# Allegro board RK_EVB1_RK3576_LP4XD200P132SD6_V12_20240530YWQ.brd (continued)
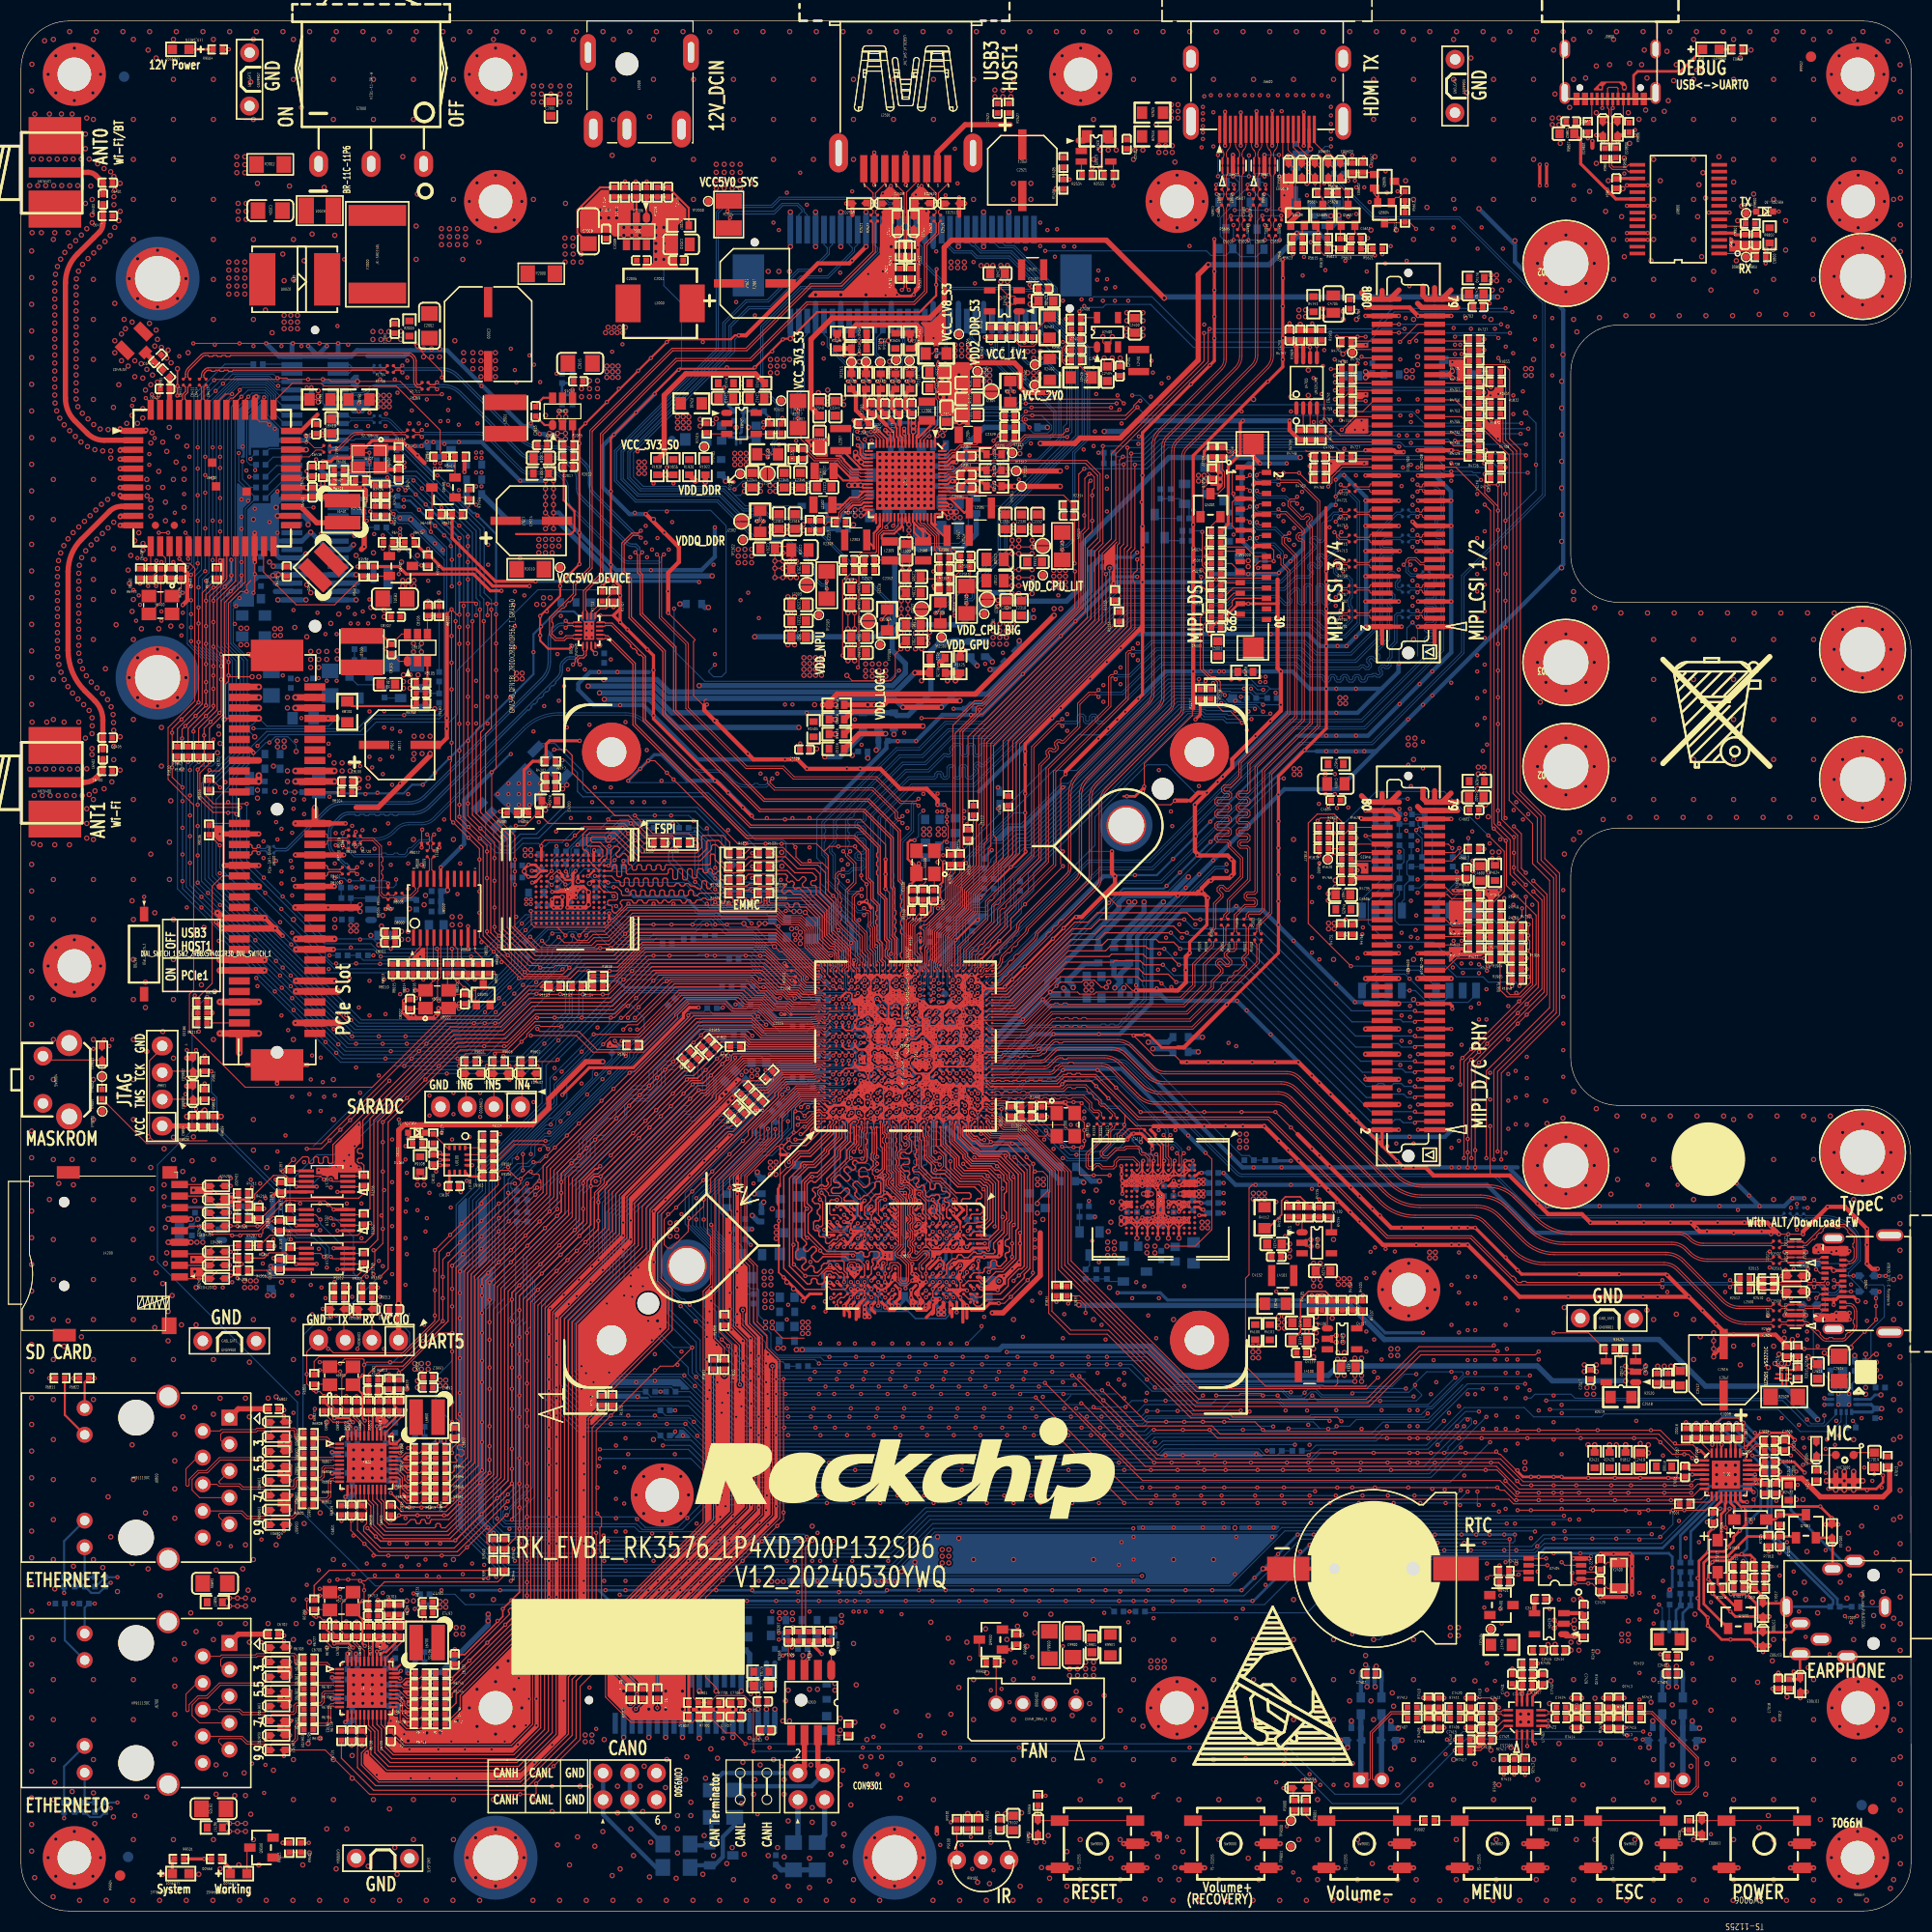
[diagram p0: board, top side]
## Routing (per net, layer and track width the routed paths; a pad name or vN(x,y) marks a point on that pad's centre or on a via; arc(x,y) is an arc through that point) (continued)
  BOTTOM w0.305: R4006.1 57.77,100.02 v1(57.37,100.02) R4001.1 ; v1(81.54,86.87) 81.52,86.85 C1308.1 ; R4000.1 v1(50.99,101.41)
  BOTTOM w0.508: v2(74.08,112.72) 62.52,112.72 59.84,115.4 v2(55.55,115.4) ; R1346.1 67.1,136.37 v2(67.1,136.17)
VCCIO1: length 52.2
  TOP w0.203: U1000.2A8 80.25,83.25 v1(79.93,83.25)
  L4-SIG w0.178: 75.9,83.64 79.46,83.64 79.84,83.25 v1(79.93,83.25)
  L4-SIG w0.508: v2(65.47,124.15) 65.47,117.65 66.67,116.45 66.67,92.67 67.5,91.84 67.5,89.52 73.39,83.64 75.9,83.64
  BOTTOM w0.305: v1(79.93,83.25) 79.76,83.25 C1309.1
  BOTTOM w0.508: v2(65.47,124.15) 65.15,124.15 R1354.1
VCCIO2: length 136.1
  TOP w0.203: U1000.2A2 80.17,79.61 79.89,79.61 v1(79.86,79.64)
  TOP w0.305: v1(63.6,27.25) R1801.1 R1800.1
  TOP w0.508: R1812.1 v2(152.82,44.39)
  L4-SIG w0.178: v1(79.86,79.64) 79.83,79.64 79.4,80.07 76.86,80.07 76.62,79.83
  L4-SIG w0.508: v2(152.82,50.49) v2(152.82,44.39) ; 73.76,54.09 73.76,58.05 72.05,59.76 72.05,61.67 71.16,62.56 71.16,65.98 69.13,68.02 69.13,69.44 69.51,69.82 69.51,74.7 71.94,77.12 71.94,78.19 73.57,79.83 76.62,79.83 ; 73.76,54.09 v2(74.4,53.45) v2(73.84,53.45) 73.76,53.53 73.76,54.09
  BOTTOM w0.305: C1800.1 80.18,79.61 79.89,79.61 v1(79.86,79.64)
  BOTTOM w0.508: v2(152.82,50.49) 145.84,50.49 144.42,51.91 125.41,51.91 124.5,51 110.39,51 107.59,53.79 93.51,53.79 93.17,53.45 v2(74.4,53.45) v2(73.84,53.45)
  vias: v2(67.22,28.01) v2(67.22,27.44)
VCCIO3: length 82
  TOP w0.229: U1000.2B10 80.95,84.64 80.67,84.93 v1(80.67,84.97)
  L4-SIG w0.089: 80.01,83.94 80.74,83.94 80.99,84.18 U1000.2B10 v1(80.67,84.97) 80.34,84.64 80.34,84.27 80.3,84.23
  L4-SIG w0.178: 80.3,84.23 79.99,83.92 76.47,83.92 76.05,84.34
  L4-SIG w0.508: v2(65.83,127.15) 65.83,125.42 68.11,123.13 68.11,89.79 71.7,86.2 72.41,86.2 74.27,84.34 76.05,84.34
  BOTTOM w0.305: C1801.1 80.67,85.05 v1(80.67,84.97)
  BOTTOM w0.508: R1826.1 46.53,132.28 51.22,132.28 56.35,127.15 v2(65.83,127.15)
VCCIO4: length 189.7
  TOP w0.203: v1(79.98,82.69) U1000.2A7
  TOP w0.305: v1(112.69,138.43) 112.69,139.01 113.06,139.38 R5022.1 R5021.1 ; v1(49.01,126.64) 45.18,126.64 41.06,130.76 R6411.1 R6408.1
  TOP w0.406: R4767.1 R1909.1 R1910.1
  TOP w0.508: R4767.1 v2(121.83,151.1) ; R1922.1 v2(65.18,136.09)
  L4-SIG w0.102: v1(79.98,82.69) 79.69,82.4 77.1,82.4 77.07,82.43
  L4-SIG w0.508: v1(68.05,86.34) 68.59,85.8 70.37,85.8 73.73,82.43 77.07,82.43 ; v1(68.05,86.34) 67.76,86.05 v1(66.84,86.05) ; v1(68.05,86.34) 66.89,87.49 66.89,91.59 64.76,93.72 64.76,104.89 64.58,105.07 v2(64.58,116.7) v1(64.58,126.56) 64.58,135.49 v2(65.18,136.09) ; v2(121.83,151.1) v2(121.83,138.43)
  BOTTOM w0.305: v1(68.05,86.34) 68.06,86.33 R1917.1 ; v1(64.58,126.56) 64.51,126.64 v1(49.01,126.64) ; v1(66.84,86.05) 66.77,85.98 R1916.1 ; C1901.1 79.99,82.68 v1(79.98,82.69) 79.98,82.67 C1900.1
  BOTTOM w0.508: R1922.1 v2(65.18,136.09) ; v2(121.83,138.43) v1(112.69,138.43) 109.34,138.43 101.01,130.1 101.01,126.18 99.57,124.75 94.25,124.75 93.45,125.55 92.63,125.55 89.58,122.5 83.7,122.5 82.97,121.77 82.97,120.05 84.22,118.8 84.22,117.91 83.02,116.7 v2(64.58,116.7)
VCCIO5: length 129.7
  TOP w0.229: v1(79.98,80.89) 79.98,81.03 U1000.2A5 ; v1(79.98,80.89) 80.13,80.74 U1000.2A4 80.32,80.77 80.32,81.23 80.34,81.25 U1000.2A5 ; v1(79.98,80.89) 79.89,80.99 v1(79.89,81.41) 80.32,81.41 U1000.2A5
  TOP w0.305: v1(51.56,77.72) 51.56,77.76 54.12,80.31 58.31,80.31 63.09,85.09 63.09,85.48 63.66,86.05 v1(64.53,86.05)
  TOP w0.508: v2(64.25,136.22) 64.22,136.22 R1936.1
  L4-SIG w0.305: v1(79.89,81.41) 79.37,81.92 71.87,81.92 ; v1(62.3,45.66) v1(62.3,47.68) 62.3,48.07 v1(60.91,49.46) 60.91,54.26 56.69,58.47 56.69,72.2 51.56,77.33 v1(51.56,77.72)
  L4-SIG w0.508: v2(64.25,136.22) 63.97,135.94 63.97,105.15 63.31,104.49 63.31,87.27 v1(64.53,86.05) 66.05,84.53 69.26,84.53 71.87,81.92
  BOTTOM w0.305: C1902.1 80.09,81.61 v1(79.89,81.41) 79.89,80.99 v1(79.98,80.89) 79.98,80.84 C1903.1 ; R1926.1 62,45.28 62.3,45.59 v1(62.3,45.66) ; R1927.1 v1(60.91,49.46) R1935.1 ; R1934.1 v1(62.3,47.68)
  BOTTOM w0.508: R1936.1 64.22,136.22 v2(64.25,136.22)
VCCIO6: length 244.4
  TOP w0.229: U1000.2N3 v1(88.47,79.77)
  TOP w0.254: R5613.1 v1(123.53,159.83) 123.53,160.34 Q5605.1
  TOP w0.305: R5611.1 v1(131.81,162.32) R5612.1
  TOP w0.406: v1(121.52,159.81) 121.12,159.42 R5622.1 ; v2(125.08,158.36) R5618.1 126.66,158.36 R5619.1
  TOP w0.508: R1838.1 v2(61.43,136.78) R1836.1 ; v2(113.07,156.79) 112.12,155.83 112.12,147.71 104.69,140.28 100.88,140.28 100.37,139.77 v2(97.08,139.77)
  L4-SIG w0.203: 95.04,79.95 91.73,79.95 91.46,80.23 90.93,80.23 90.86,80.15 88.85,80.15 v1(88.47,79.77)
  L4-SIG w0.305: v1(131.81,162.32) 129.04,162.32 v2(125.08,158.36) 125.08,157.1 129.33,152.85 129.33,106.92 v1(131.27,104.97)
  L4-SIG w0.508: v2(61.43,136.78) 61.88,136.78 68.05,142.95 68.87,142.95 70.39,144.47 72.59,144.47 75.12,147 75.12,149.7 77.02,151.6 91.99,151.6 94.39,149.2 94.39,147.02 97.08,144.33 v2(97.08,139.77) 97.08,118.66 100.8,114.94 100.8,96.6 105.64,91.76 105.64,87.66 97.93,79.95 95.04,79.95
  BOTTOM w0.229: C1802.1 88.72,80.02 v1(88.47,79.77)
  BOTTOM w0.305: v1(131.27,104.97) R1845.1 R1846.1
  BOTTOM w0.406: v1(121.52,159.81) 123.52,159.81 v1(123.53,159.83) 123.61,159.83 v2(125.08,158.36)
  BOTTOM w0.508: v2(61.43,136.78) R1836.1 ; v1(121.52,159.81) 121.52,159.43 118.87,156.79 v2(113.07,156.79)
VCCIO7_VCC: length 34.3
  TOP w0.229: U1000.2M3 v1(87.82,79.77)
  L4-SIG w0.089: 90.08,79.31 90.08,79.26 ; 90.08,79.31 90.08,79.44 ; 90.08,79.31 90.21,79.44 ; 90.08,79.26 89.9,79.44 ; 90.08,79.26 90.09,79.25 90.09,78.98 90.08,78.98 ; 89.45,79.44 89.32,79.44 ; 89.45,79.44 89.45,79.26 89.44,79.25 ; 89.45,79.44 89.57,79.44 ; 89.32,79.44 89.44,79.32 89.44,79.31 ; 89.32,79.44 88.79,79.44 ; 91.73,79.32 91.53,79.52 90.96,79.52 90.89,79.45 90.74,79.45 ; 89.63,78.79 89.9,78.79 ; 89.63,78.79 89.45,78.79 ; 89.63,78.79 89.44,78.98 ; 89.9,78.79 90.08,78.98 ; 89.9,78.79 90.08,78.79 ; 90.08,79.44 89.9,79.44 ; 90.08,79.44 90.21,79.44 ; 90.74,79.25 90.74,79.45 ; 90.74,79.25 90.74,78.98 ; 90.74,79.25 90.55,79.44 ; 90.74,79.45 90.74,79.44 90.55,79.44 ; 89.44,78.98 89.26,78.79 ; 89.44,78.98 89.44,78.98 ; 89.26,78.79 88.98,78.79 88.95,78.82 ; 89.26,78.79 89.45,78.79 ; 88.95,78.82 88.79,78.98 88.79,79.44 ; 88.95,78.82 88.92,78.79 88.2,78.79 88.14,78.85 88.14,79.44 88.14,79.44 88.79,79.44 ; 90.08,78.98 90.08,78.92 ; 90.55,78.79 90.21,78.79 ; 90.55,78.79 90.74,78.98 ; 90.55,78.79 90.85,78.79 ; 90.21,78.79 90.08,78.79 ; 90.21,78.79 90.08,78.92 ; 89.44,79.31 89.44,79.25 ; 89.44,79.31 89.57,79.44 ; 89.45,78.79 89.45,78.98 89.44,78.98 ; 90.08,78.79 90.08,78.92 ; 89.44,78.98 89.44,79.25 ; 89.9,79.44 89.57,79.44 ; 90.74,78.98 90.74,78.9 90.85,78.79 ; 90.55,79.44 90.21,79.44 ; 91.61,79.19 91.21,78.79 90.85,78.79
  L4-SIG w0.102: 91.61,79.19 91.73,79.32 92.95,79.32
  L4-SIG w0.33: v1(87.82,79.77) 88.14,79.44
  L4-SIG w0.508: v2(107.36,82.75) 102.78,82.75 99.35,79.32 92.95,79.32
  BOTTOM w0.305: v1(87.82,79.77) 87.82,79.88 C1300.1
  BOTTOM w0.508: v2(107.36,82.75) 109.24,82.75 R1308.1
VCCIO_ACODEC: length 12.6
  TOP w0.229: v1(142.95,20.65) U7402.11
  TOP w0.406: R7405.2 C7417.1 C7414.1 142.95,21.44 v1(142.95,20.65) ; v1(141.23,13.01) R7409.1
  L3-POWER w0.508: v1(142.95,20.65) 141.23,18.92 v1(141.23,13.01)
VCCIO_AUDIO: length 20.2
  TOP w0.406: R7405.1 v1(144.44,23.57)
  L4-SIG w0.508: v2(143.23,42.74) v2(143.23,42.11) 143.23,24.78 v1(144.44,23.57)
VCCIO_CODEC: length 3.9
  TOP w0.254: U7000.3 158.99,42.01 158.54,42.46 ; 158.54,42.46 U7000.2 ; 158.54,42.46 158.47,42.53
VCCIO_FT232: length 3.6
  TOP w0.305: U9800.4 163.14,159.8 163.3,159.64 C9801.1 C9800.1
VCCIO_PHY0: length 1.2
  TOP w0.203: R6738.2 v1(32.48,15.74)
  TOP w0.229: v1(36.11,22.15) 36.11,22.15 36.03,22.23 U6700.28
VCCIO_PHY1: length 1.2
  TOP w0.203: R6838.2 v1(32.48,37.2)
  TOP w0.229: U6800.28 36.03,43.69 36.11,43.61 v1(36.11,43.61)
VCCIO_SD_S0: length 231.1
  TOP w0.102: R2327.2 92.87,138.73 92.77,138.83 92.77,139.11 93.15,139.49 94.27,139.49 94.55,139.77 95.07,139.77 95.68,140.38 v1(99.63,140.38) ; R1361.1 23.67,63.33
  TOP w0.305: v1(24.14,63.32) 24.14,63.33 23.67,63.33 ; v1(76.26,24.47) R9305.1 ; R9312.1 v1(31.28,59.38) ; R9810.1 v1(17.49,78.81) ; v1(33.99,59.38) R9311.1 ; R1360.1 v1(23.15,66.89)
  TOP w0.508: CON9304.1 C9309.1 v2(35.96,57.86) 35.98,57.89 35.98,74.37 36.49,74.87 48.68,74.87 50.27,76.46 50.27,77.35 53.8,80.88 v2(55.4,80.88) ; v2(17.49,76.27) 17.33,76.12 R9808.1
  L4-SIG w0.508: v2(35.96,57.86) 34.44,59.38 v1(33.99,59.38) 33.94,59.34 31.33,59.34 v1(31.28,59.38) 31.24,59.34 29.62,59.34 25.63,63.32 v1(24.14,63.32) 23.84,63.32 23.33,63.83 23.33,66.72 v1(23.15,66.89) 22.12,66.89 21.12,67.89 21.12,70.05 17.49,73.68 v2(17.49,76.27) v1(17.49,78.81) ; v2(55.4,80.88) 57.99,80.88 60.87,83.76 60.87,104.08 62.75,105.96 v2(62.75,124.48) 62.75,136.79 67.92,141.96 68.93,141.96 70.83,143.86 72.85,143.86 75.73,146.74 75.73,149.45 77.28,150.99 91.74,150.99 93.78,148.94 93.78,146.77 95.14,145.41 v2(95.14,139.36) v2(95.14,138.8)
  BOTTOM w0.102: CON9700.34 86.02,160.07 86.02,157.04 88.43,154.63 95.32,154.63 95.5,154.45 96.52,154.45 97.27,153.7 97.27,150.43 99.37,148.33 99.74,148.33 100.09,147.99 100.09,140.84 v1(99.63,140.38)
  BOTTOM w0.508: R1354.2 v2(62.75,124.48)
  vias: v2(77.51,21.66) v2(77.51,21.03)
VCCIO_SD_S0_P: length 43.8
  TOP w0.102: v1(99.63,141.04) 99.17,140.58 95.6,140.58 94.99,139.97 94.46,139.97 94.18,139.7 93.07,139.7 92.57,139.19 92.57,138.83 92.47,138.73 R2327.1
  TOP w0.203: 88.83,138.54 88.72,138.54 88.18,137.99 U2300.65
  TOP w0.254: C2360.1 89.59,138.74 89.92,139.07 91.61,139.07 R2327.1
  TOP w0.406: 88.83,138.54 89.59,138.54
  BOTTOM w0.102: CON9700.32 85.28,159.05 85.82,158.51 85.82,156.96 88.35,154.43 95.24,154.43 95.42,154.25 96.43,154.25 97.07,153.61 97.07,150.35 99.29,148.13 99.66,148.13 99.88,147.9 99.88,141.3 v1(99.63,141.04)
VCCIO_WL: length 17.2
  TOP w0.102: 36.49,138.46 R6407.1
  TOP w0.305: R6418.1 39.42,137.89 v1(39.41,137.89) ; R6419.1 v1(32.04,128.04)
  TOP w0.406: R6407.1 C6424.1 34.43,137.28 34.41,137.29
  TOP w0.508: U6400.34 v2(27.16,139.17)
  L4-SIG w0.305: v1(32.04,128.04) 24.06,128.04 v2(24.03,128.07)
  BOTTOM w0.305: v1(36.46,133.74) 35.97,133.74 R6503.1 ; v1(36.52,137.95) 36.07,137.95 R6504.1
  BOTTOM w0.508: CON6500.9 25.8,128.07 24.03,128.07 v2(24.03,128.07)
  vias: v1(36.52,137.49) v1(39.41,137.38) v1(39.92,137.89) v1(39.92,137.38) v2(23.66,128.47)
VDD1_1V8_DDR_S3: length 18.5
  TOP w0.279: U3800.T4 v1(81.64,64.04) ; U3800.U1 v1(80.99,67.09) ; v1(87.84,67.18) 87.82,67.15 U3800.F1 ; v1(80.99,60.04) U3800.T9 ; 87.42,57.32 87.42,57.32 87.82,57.72 U3800.F12 87.9,57.88 v1(87.9,57.27) v1(87.37,57.27) 87.42,57.32
  TOP w0.305: v1(87.9,57.27) v1(87.9,56.81) v1(87.37,56.81) v1(87.37,57.27) ; U3800.G4 v1(87.49,64.04) ; v1(80.34,57.51) 80.34,57.65 U3800.U12 ; U3800.G9 v1(87.57,60.77)
  TOP w0.406: v1(80.34,57.06) v1(80.34,57.51) ; v1(80.34,57.06) v1(80.8,56.6) v1(80.34,56.6) v1(80.34,57.06)
  L4-SIG w0.203: v1(80.34,57.51) v1(80.34,57.06)
  L4-SIG w0.254: v1(87.9,57.27) v1(87.37,57.27)
  BOTTOM w0.254: v1(87.57,60.77) 87.84,61.04 C3837.1 ; v1(87.84,67.18) 87.84,67.57 C3841.1 ; C3842.1 81.64,64.11 v1(81.64,64.04)
  BOTTOM w0.305: v1(80.34,57.06) v1(80.34,56.6) v1(80.8,56.6) 80.8,57.18 C3843.1 ; v1(80.34,57.06) 80.52,57.06 C3843.1 ; v1(80.34,57.06) v1(80.34,57.51) 80.47,57.51 C3843.1 ; v1(80.99,67.09) 80.63,67.09 C3844.1 ; v1(87.49,64.04) 87.19,63.74 C3838.1 ; C3840.1 81.24,60.29 v1(80.99,60.04)
  BOTTOM w0.406: v1(87.37,57.27) 87.37,57.44 87.16,57.65 C3839.1 ; v1(87.37,57.27) v1(87.9,57.27) v1(87.9,56.81) v1(87.37,56.81) v1(87.37,57.27)
  vias: v2(74.43,56.08) v2(74.43,55.54) v2(74.43,55) v2(74.97,56.08) v2(74.97,55.54) v2(74.97,55)
VDD2_DDR_S3: length 46.8
  TOP w0.102: v1(94.58,144.7) 94.22,145.06 R2311.1
  TOP w0.203: U3800.F8 87.87,61.23 87.87,61.76 v1(87.49,62.14)
  TOP w0.254: v1(82.12,61.7) 82.01,61.59 82.01,61.22 U3800.R8 ; U3800.G2 v1(86.84,66.29) ; U3800.AB9 77.16,60.37 v1(77.01,60.51) ; U3800.N3 v1(82.94,65.49) ; v1(80.61,61.79) 80.67,61.74 U3800.U8 ; v1(83.7,59.2) 83.63,59.2 U3800.N10
  TOP w0.279: v1(84.77,58.41) v1(84.77,59.13) U3800.K10 ; v1(84.77,58.41) 84.77,57.76 v1(84.89,57.64) ; v1(84.77,58.41) U3800.K12 85.22,57.97 v1(84.89,57.64) ; U3800.H5 v1(86.84,63.24) 86.92,63.16 87.41,63.16 v1(87.49,63.24) U3800.F5 ; 85.76,57.21 v1(86.19,57.64) 86.52,57.97 U3800.H12 86.52,57.49 86.24,57.21 85.76,57.21 ; 85.76,57.21 85.32,57.21 v1(84.89,57.64) ; U3800.T2 v1(81.64,65.64) ; U3800.K3 85.49,65.44 85.49,65.44 v1(85.49,65.45) ; U3800.R1 v1(82.29,67.09) ; U3800.H8 v1(87.49,62.14) ; U3800.A4 v1(91.8,64.37) ; U3800.A9 91.38,60.37 v1(91.61,60.14) ; v1(86.84,67.09) U3800.H1 86.52,66.62 v1(86.84,66.29) ; U3800.K1 v1(85.52,67.07) ; U3800.R5 v1(82.29,63.24) ; U3800.N1 v1(82.94,67.09)
  TOP w0.305: v1(83.7,59.2) 83.7,58.4 U3800.N12 v1(83.59,57.64) 83.14,57.2 82.74,57.2 82.46,57.47 v1(82.3,57.47) 82.3,57.64 U3800.R12 ; v1(76.97,64.26) 77.08,64.37 U3800.AB4 ; U3800.U5 v1(80.99,63.24)
  BOTTOM w0.089: C3834.1 v1(80.99,63.25)
  BOTTOM w0.102: v1(94.58,144.7) 94.35,144.93 94.35,146.08 90.58,149.85 90.58,150.17 90.88,150.47 CON9700.45 ; C3835.1 80.65,61.75 v1(80.61,61.79)
  BOTTOM w0.254: C3832.1 91.86,64.3 v1(91.8,64.37) ; v1(82.94,65.49) 82.94,65.71 C3830.1 ; v1(82.94,67.09) 82.71,67.33 C3828.1 82.53,67.33 v1(82.29,67.09) ; 86.84,66.3 C3826.1 86.89,67.09 v1(86.84,67.09) 86.84,66.3 ; 86.84,66.3 v1(86.84,66.29)
  BOTTOM w0.279: v1(86.19,57.64) 86.19,57.7 C3827.1
  BOTTOM w0.305: v1(85.49,65.45) 85.49,65.45 85.5,65.44 85.59,65.44 85.79,65.24 C3833.1 ; v1(83.59,57.64) 84.04,58.1 C3822.1 ; C3822.1 83.7,58.9 v1(83.7,59.2) ; C3822.1 84.89,57.7 v1(84.89,57.64) ; C3831.1 76.57,64.26 v1(76.97,64.26) ; C3829.1 82.44,57.9 82.44,57.62 v1(82.3,57.47)
  BOTTOM w0.406: v1(93.15,59.99) 93.08,60.06 92.46,60.06 C3823.1 91.67,60.08 v1(91.61,60.14) ; v1(77.01,60.51) 76.99,60.49 C3825.1
  BOTTOM w0.508: v2(69.84,68.31) R3809.2
  vias: v2(70.78,60.9) v2(70.78,60.27) v2(70.78,59.63) v2(71.41,60.9) v2(71.41,60.27) v2(71.41,59.63) v2(91.72,146.78) v2(91.72,146.24) v2(91.72,145.7) v2(92.26,146.78) v2(92.26,146.24) v2(92.26,145.7)
VDD2_DDR_S3_P: length 14.3
  TOP w0.102: L2304.1 91.11,139.78 90.96,139.64 89.44,139.64 88.94,139.14 88.56,139.14 88.12,138.69 U2300.67 ; R2311.2 94.22,144.4 v1(93.92,144.7)
  BOTTOM w0.102: v1(93.92,144.7) 94.15,144.93 94.15,145.99 90.38,149.77 90.38,150.15 90.08,150.45 CON9700.43
VDD10_PHY0: length 5.4
  TOP w0.203: v1(35.73,18.87) 35.45,19.15 U6700.21 ; U6700.8 v1(29.63,20.23) ; U6700.38 v1(31.9,24.49) ; U6700.3 v1(29.63,22.23)
  BOTTOM w0.508: v1(29.63,22.23) 29.81,22.05 C6716.1 ; v1(29.63,20.23) 29.66,20.26 C6717.1 ; C6715.1 31.9,24.04 v1(31.9,24.49) ; C6714.1 35.92,19.06 v1(35.73,18.87)
  vias: v2(39.92,29.47) v2(39.92,28.94) v2(40.45,29.47) v2(40.45,28.94)
VDD10_PHY1: length 5.4
  TOP w0.203: U6800.3 v1(29.63,43.69) ; v1(35.73,40.33) 35.45,40.61 U6800.21 ; U6800.8 v1(29.63,41.69) ; U6800.38 v1(31.9,45.96)
  BOTTOM w0.508: v1(29.63,43.69) 29.81,43.51 C6815.1 ; C6814.1 35.92,40.53 v1(35.73,40.33) ; v1(29.63,41.69) 29.66,41.72 C6816.1 ; C6817.1 31.9,45.51 v1(31.9,45.96)
  vias: v2(39.92,50.56) v2(39.92,50.02) v2(40.45,50.56) v2(40.45,50.02)
VDD_0V75_S3: length 11.5
  TOP w0.102: v1(79.43,145.67) 79.08,146.02 R2328.2
  TOP w0.508: R2328.2 TP2313.1 R1408.2 R1146.2
  BOTTOM w0.102: v1(79.43,145.67) 79.21,145.9 79.21,146.84 76.98,149.07 76.98,149.86 77.28,150.16 CON9700.11
VDD_0V75_S3_P: length 14.5
  TOP w0.102: v1(78.77,145.67) 79.08,145.36 R2328.1
  TOP w0.203: U2300.14 82.49,140.18 81.02,141.65 C2363.1
  TOP w0.406: R2328.1 79.52,144.51 79.52,142.93 80.72,141.73 C2363.1
  BOTTOM w0.102: CON9700.9 76.48,150.16 76.78,149.86 76.78,148.98 79,146.76 79,145.9 v1(78.77,145.67)
VDD_CPU_BIG_S0: length 157.5
  TOP w0.102: v1(88.91,123.36) 88.81,123.46 88.81,127 89.48,127.67 R2304.2 C2311.2 88.79,129.74 87.7,129.74 87.42,130.02 87.42,131.06 86.34,132.13 U2300.49 ; R2301.2 v1(90.05,124.52)
  TOP w0.178: v1(85.22,81.72) 85.22,81.72 v1(84.57,81.72) ; v1(85.22,82.37) v1(85.87,82.37)
  TOP w0.203: v1(85.87,83.02) U1000.2K7 ; U1000.2K7 85.87,82.37 ; U1000.2K7 86.52,82.37
  TOP w0.229: v1(84.57,81.72) 84.57,82.37 84.59,82.39 ; v1(84.57,81.72) v1(83.92,81.72) ; v1(84.57,81.72) U1000.2H6 ; v1(84.57,81.72) U1000.2G5 v1(83.92,81.72) ; v1(84.57,81.72) U1000.2G6 ; v1(83.92,81.72) U1000.2G6 ; v1(85.87,82.37) 85.87,82.37 v1(86.52,82.37) U1000.2K6 v1(85.87,82.37) ; v1(85.87,82.37) U1000.2J6 ; v1(85.87,82.37) U1000.2J7 ; 84.59,82.39 U1000.2H7 ; 84.59,82.39 v1(84.59,82.29) ; U1000.2H7 U1000.2J7 ; U1000.2H7 v1(85.22,82.37) ; U1000.2H6 v1(85.22,82.37) ; U1000.2H6 v1(85.22,81.72) U1000.2J6 ; U1000.2H6 84.64,82.29 v1(84.59,82.29) ; U1000.2H6 U1000.2J6 ; v1(85.22,82.37) 84.67,82.37 v1(84.59,82.29) ; v1(85.22,82.37) U1000.2J6 ; v1(85.22,82.37) U1000.2J7 ; v1(84.59,82.29) 84.49,82.29 U1000.2G6 ; U1000.2J7 v1(85.87,83.02) ; U1000.2J7 U1000.2K7
  L3-POWER w0.089: 84.28,82.68 83.78,82.68 83.59,82.49 83.59,82.05 v1(83.92,81.72) 83.98,81.72 84,81.69 ; 85.89,89.48 85.89,88.57 85.95,88.51 85.95,85.09 85.51,84.65 85.09,84.65 84.89,84.45 84.89,82.69 v1(85.22,82.37) ; v1(86.52,82.37) 86.65,82.37 86.91,82.62 91.1,82.62 91.48,83 91.48,84.65 ; v1(86.52,82.37) 86.52,82.37 ; v1(86.52,82.37) 86.58,82.43 86.68,82.33 91.7,82.33 91.99,82.62 ; v1(85.22,81.72) 84.85,81.35
  L3-POWER w0.102: v1(88.91,123.36) 89.26,123.01 95.8,123.01 96.56,122.25 96.56,99.23 94.99,97.66 94.99,85.62 91.99,82.62
  L3-POWER w0.305: 86.52,82.37 v1(85.87,82.37) v1(85.22,81.72)
  L3-POWER w0.406: 83.91,81.62 83.98,81.69 84,81.69
  BOTTOM w0.102: v1(90.05,124.52) 90.05,124.68 90.16,124.78 90.59,124.78 90.79,124.99 90.79,126.1 93.89,129.2 93.89,133.01 101.26,140.38 101.26,148.78 98.21,151.83 98.21,154.26 94.37,158.1 91.48,158.1 90.88,158.71 CON9700.46
  BOTTOM w0.152: v1(83.92,81.72) 83.92,81.71
  BOTTOM w0.305: 83.92,81.71 C1003.1 84.24,81.39 v1(84.57,81.72) ; v1(84.57,81.72) 84.26,82.03 C1004.1 84.23,82.03 v1(83.92,81.72) ; v1(84.57,81.72) 84.79,81.95 C1002.1 ; C1002.1 84.99,81.95 v1(85.22,81.72) v1(85.87,82.37) 85.87,82.37 v1(86.52,82.37) 86.76,82.37 C1000.1 86.25,83.21 C1006.1 85.93,83.02 v1(85.87,83.02) 85.56,82.71 C1005.1 85.22,82.44 85.22,82.37 ; C1002.1 85.22,82.27 v1(85.22,82.37) 85.22,82.37 ; 85.22,82.37 C1001.1
  vias: v2(87.36,103.06) v2(87.36,102.52) v2(87.92,103.06) v2(87.92,102.52) v2(92.58,122.56) v2(92.58,121.93) v2(92.58,121.29) v2(92.58,120.66) v2(93.21,122.56) v2(93.21,121.93) v2(93.21,121.29) v2(93.21,120.66) v2(93.85,122.56) v2(93.85,121.93) v2(93.85,121.29) v2(93.85,120.66) v2(94.46,122.56) v2(94.46,121.93)
VDD_CPU_BIG_S0_P: length 50.4
  TOP w0.102: C2311.1 R2304.1 90.38,126.51 R2301.1 v1(90.05,125.25)
  BOTTOM w0.102: v1(90.05,125.25) 90.05,125.09 90.16,124.99 90.49,124.99 90.59,125.09 90.59,126.18 93.69,129.28 93.69,133.1 101.06,140.47 101.06,148.69 98.01,151.74 98.01,154.18 94.28,157.9 91.4,157.9 90.73,158.57 90.59,158.57 90.08,159.08 CON9700.44
VDD_CPU_LIT_S0: length 164.4
  TOP w0.102: R2312.2 v1(99.17,129.63) ; v1(100.35,128.34) 100.35,132.78 C2334.2 R2314.2 99.28,134.84 87.74,134.84 U2300.56
  TOP w0.178: v1(85.87,81.07) v1(86.52,81.07) v1(86.52,80.42)
  TOP w0.229: 86.19,80.09 U1000.2K3 85.87,80.42 ; 86.19,80.09 v1(86.52,80.42) ; 86.19,80.09 U1000.2K4 ; 85.87,80.42 U1000.2J4 ; 85.87,80.42 85.87,80.42 ; 85.87,80.42 85.22,80.42 ; U1000.2J4 85.27,81.02 ; U1000.2J4 85.54,80.74 ; U1000.2J4 U1000.2K4 ; U1000.2J4 v1(85.87,81.07) ; 85.21,80.42 85.54,80.74 ; 85.21,80.42 U1000.2H4 ; 85.21,80.42 85.22,80.42 ; 85.54,80.74 U1000.2H4 ; U1000.2H4 85.17,81.02 v1(85.22,81.02) 85.27,81.02 ; v1(86.52,80.42) 85.87,80.42 ; v1(86.52,80.42) U1000.2K4 ; 85.87,80.42 U1000.2J3 85.22,80.42 ; 85.87,80.42 U1000.2K4 ; v1(85.87,81.07) 85.82,81.02 85.27,81.02 ; v1(85.87,81.07) U1000.2K4 ; U1000.2K4 v1(86.52,81.07)
  L3-POWER w0.089: 90.97,80.46 90.74,80.23 90.74,79.63 90.55,79.44 ; 90.55,79.44 90.84,79.44 90.92,79.52 91.23,79.52 91.77,78.97 91.99,78.97 ; 90.55,79.44 88.88,79.44 88.79,79.53 88.79,80 88.7,80.09 88.22,80.09 88.03,80.28 86.65,80.28 v1(86.52,80.42) ; 91.99,82.04 86.84,82.04 ; 86.8,82.04 86.38,82.04 86.19,81.85 86.19,81.39 v1(85.87,81.07)
  L3-POWER w0.102: v1(100.35,128.34) 103.86,128.34 107.16,125.04 107.16,109.22 102.48,104.54 102.48,84.6 96.85,78.97 91.99,78.97 ; 96.18,89.86 95.46,89.14 95.46,85.71 91.88,82.14 86.81,82.14 86.72,82.04 ; 86.84,82.04 86.8,82.04
  L3-POWER w0.33: v1(85.22,81.02) 85.82,81.02 v1(85.87,81.07) v1(86.52,80.42)
  BOTTOM w0.102: v1(99.17,129.63) 99.17,129.79 99.27,129.89 99.63,129.89 100.37,130.63 100.37,138.86 101.77,140.25 101.77,148.89 98.67,151.99 98.67,154.55 94.61,158.61 93.72,158.61 93.28,159.06 CON9700.52
  BOTTOM w0.229: v1(86.52,80.42) 86.62,80.42 C1009.1 ; 85.87,81.07 v1(85.87,81.07) 85.27,81.07 v1(85.22,81.02) 85.76,80.47 C1012.1 ; 86.51,81.07 v1(86.52,81.07)
  BOTTOM w0.305: v1(85.87,81.07) 86.19,81.39 C1011.1 86.19,81.39 v1(86.52,81.07) 86.52,81.07 C1010.1
  vias: v2(98.35,127.68) v2(98.35,127.12) v2(98.35,126.56) v2(98.35,126) v2(98.91,127.68) v2(98.91,127.12) v2(98.91,126.56) v2(98.91,126) v2(99.47,127.68) v2(99.47,127.12) v2(99.47,126.56) v2(99.47,126) v2(101.42,88.26) v2(101.42,87.7) v2(101.96,88.26) v2(101.96,87.7)
VDD_CPU_LIT_S0_P: length 36.9
  TOP w0.102: R2312.1 v1(99.17,130.35)
  BOTTOM w0.102: v1(99.17,130.35) 99.17,130.19 99.27,130.09 99.55,130.09 100.17,130.71 100.17,138.94 101.56,140.34 101.56,148.81 98.47,151.91 98.47,154.47 94.52,158.41 93.16,158.41 92.48,159.1 CON9700.50
VDD_DDR_S0: length 182.8
  TOP w0.102: v1(71.11,138.43) 70.81,138.73 R2318.1 ; 84.87,79.47 84.27,79.47 ; v1(72.18,139.64) 72.94,139.64 73.38,139.21 R2320.2 C2351.2 75.55,138.12 77.84,138.12 77.95,138.01 77.95,137.91 79.06,136.8 79.74,136.8 79.94,136.59 U2300.25
  TOP w0.178: v1(84.57,79.77) v1(83.92,79.77) v1(83.27,79.77) v1(82.62,79.77)
  TOP w0.203: U1000.2H2 v1(84.57,79.77) ; v1(82.62,79.77) U1000.2E2 v1(83.27,79.77)
  TOP w0.229: v1(83.92,79.77) U1000.2F3 v1(83.27,79.77) ; v1(83.92,79.77) U1000.2G3 v1(84.57,79.77) U1000.2G2 v1(83.92,79.77)
  L3-POWER w0.089: v1(83.27,79.77) 83.59,80.09 83.59,80.55 83.61,80.57 83.61,80.74 ; 88.14,79.41 88.14,78.98 88.36,78.77 91.99,78.77 ; 88.14,79.41 88.14,79.9 87.95,80.09 87.03,80.09 87.01,80.07 86.37,80.07 86.36,80.08 85.69,80.08 85.03,80.74 84.24,80.74 ; 88.14,79.41 87.98,79.41 87.95,79.44 87.68,79.44 87.65,79.41 85.57,79.41 84.89,80.09 v1(84.57,79.77) ; 83.61,80.74 83.13,80.74 82.94,80.55 82.94,80.09 v1(82.62,79.77) ; 83.61,80.74 84.24,80.74 ; 84.24,80.74 U1000.2G3 v1(83.92,79.77)
  L3-POWER w0.102: 91.99,78.77 96.93,78.77 102.68,84.52 102.68,104.46 107.36,109.14 107.36,125.13 103.8,128.69 100.2,128.69 99.66,128.16 89.35,128.16 88.61,128.89 88.15,128.89 87.19,127.93 86.74,127.93 86.4,127.6 85.26,127.6 84.74,128.11 83.82,128.11 83.3,127.6 75.37,127.6 72.85,130.12 70.91,130.12 66.21,134.82 66.21,137.99 67.99,139.77 72.05,139.77 v1(72.18,139.64)
  L3-POWER w0.381: v1(84.57,79.77) v1(83.92,79.77) v1(83.27,79.77) v1(82.62,79.77)
  BOTTOM w0.102: v1(71.11,138.43) 71.34,138.66 71.48,138.66 71.74,138.93 71.74,139.81 72.16,140.23 72.16,143.58 70.65,145.09 70.65,150.82 74.34,154.5 78.27,154.5 81.78,158.01 81.78,158.41 82.08,158.71 CON9700.24
  BOTTOM w0.305: 84.95,79.58 84.75,79.58 v1(84.57,79.77) 84.35,79.55 C1206.1 84.13,79.55 v1(83.92,79.77) 83.69,79.54 C1208.1 83.49,79.54 v1(83.27,79.77) 83.04,79.54 C1207.1 82.84,79.54 v1(82.62,79.77)
  vias: v2(67.98,138.83) v2(67.98,138.29) v2(67.98,137.75) v2(68.52,138.83) v2(68.52,138.29) v2(68.52,137.75) v2(69.06,138.83) v2(69.06,138.29) v2(69.06,137.75) v2(96.81,69.7) v2(96.81,69.16) v2(97.37,69.7) v2(97.37,69.16)
VDD_DDR_S0_P: length 30.6
  TOP w0.102: v1(71.11,139.09) 71.47,138.73 R2318.2
  BOTTOM w0.102: v1(71.11,139.09) 71.3,138.91 71.44,138.91 71.54,139.01 71.54,139.9 71.96,140.32 71.96,143.49 70.45,145 70.45,150.9 74.25,154.71 78.19,154.71 81.58,158.09 81.58,158.41 81.28,158.71 CON9700.22
VDD_GPU_S0: length 154.2
  TOP w0.102: 81.67,80.77 82.27,80.77 U1000.2D4 ; v1(87.76,123.62) 87.56,123.42 R2300.1 ; C2306.2 v1(88.38,128.34) R2303.2 88.38,129.18 88.28,129.28 87.34,129.28 87.01,129.61 87.01,130.89 85.95,131.95 85.66,131.95 85.29,132.32 U2300.46 ; 82.32,80.77 82.92,80.77
  TOP w0.178: v1(81.97,81.72) v1(81.32,81.72) v1(81.32,81.07) v1(81.97,81.07) v1(82.62,81.07)
  TOP w0.203: v1(82.62,81.07) U1000.2D4 v1(81.97,81.07)
  TOP w0.229: U1000.2C5 U1000.2D5 ; U1000.2C5 v1(81.32,81.07) U1000.2C4 v1(81.97,81.07) ; U1000.2C5 81.64,81.39 ; U1000.2C5 v1(81.97,81.07) ; U1000.2D5 v1(82.62,81.07) U1000.2E4 ; U1000.2D5 v1(81.97,81.07) ; U1000.2D5 v1(81.97,81.72) 81.64,81.39 ; 81.64,81.39 v1(81.32,81.72)
  L3-POWER w0.089: v1(81.97,81.72) 82.16,81.72 82.48,82.04 82.75,82.04 82.94,81.85 82.94,81.39 v1(82.62,81.07) U1000.2D4 82.29,79.65 82.04,79.39 81.71,79.39 81.62,79.3 81.62,78.96 81.34,78.68 80.94,78.68 ; v1(81.32,81.72) 80.94,81.72 80.7,81.96 77.38,81.96
  L3-POWER w0.102: v1(88.38,128.34) 88.17,128.34 87.03,127.19 74.22,127.19 74.02,127.4 71.6,127.4 69.4,125.19 68.17,125.19 65.73,122.75 65.73,118.4 65.58,118.25 65.58,115.15 65.7,115.03 65.7,82.26 68.34,79.62 v1(68.63,79.62) ; v2(85.19,120.2) 85.19,120.13 84.95,119.9 84.95,119.73 ; 75.99,82.11 76.14,81.96 77.38,81.96
  L3-POWER w0.33: v1(81.32,81.72) v1(81.97,81.72)
  BOTTOM w0.102: CON9700.40 88.48,158.56 88.93,158.1 90.58,158.1 91.06,157.62 94.15,157.62 97.78,153.99 97.78,151.66 100.67,148.77 100.67,140.45 93.26,133.04 93.26,129.36 87.71,123.82 87.71,123.67 v1(87.76,123.62)
  BOTTOM w0.152: v1(81.32,81.72) 80.8,81.2 C1029.1 ; v1(82.62,81.07) v1(81.97,81.72)
  BOTTOM w0.254: v1(81.32,81.72) 81.41,81.72 C1026.1 81.87,81.72 v1(81.97,81.72)
  BOTTOM w0.305: v1(82.62,81.07) 82.29,80.74 U1000.2D4 82.29,80.74 v1(81.97,81.07) 81.64,80.74 U1000.2C4 81.64,80.74 v1(81.32,81.07)
  vias: v1(70.12,79.6) v1(85.26,123.19) v2(69.05,79.97) v2(69.59,80.03) v2(69.61,79.48) v2(70.14,80.09) v2(85.19,121.73) v2(85.73,121.73) v2(85.78,120.21) v2(86.37,121.26) v2(86.37,120.72) v2(86.53,121.77)
